# Altium PCB PiMX8MPIODB_r0.1.PcbDoc (part 3 of 3)
Units mm, origin at the board's own origin, x right, y up, seen from the top; angles counter-clockwise.
Board outline 54.2 x 38.2 mm, 6 copper layers (Top Layer, L2 GND, L3 SIG, GND, GND (Mid2), Bottom Layer), stack 1.538 mm thick; 73 components, 73 nets, 333 pads, 771 vias.
Unrouted connection lines stored in the file: 39.
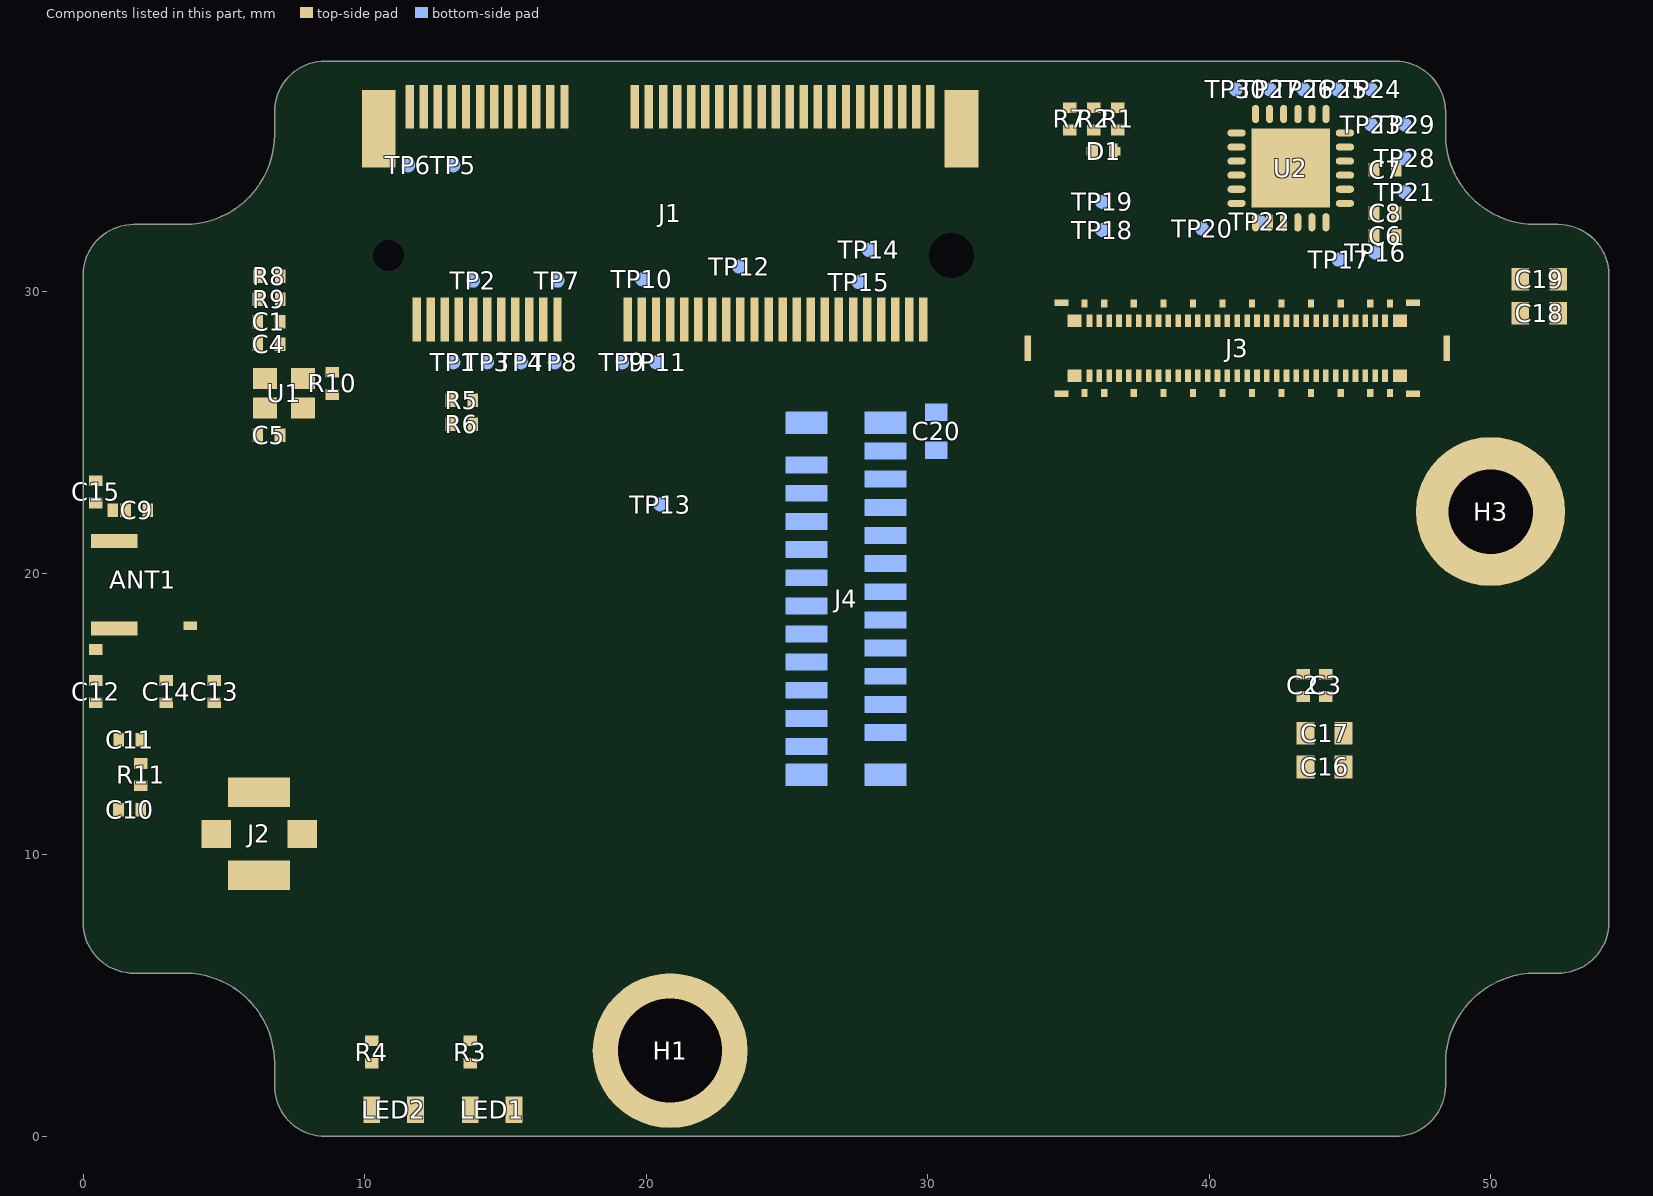
[diagram p7: the components of this part, seen from the top]

## Silkscreen, mask and mechanical layers (free items; w line width, h text height) (continued)
Fab Notes:
  drawing of 452 lines, arcs and shapes, not listed
  text "1" at -46.667,164.76 h2.5
  text "2" at 0.417,164.76 h2.5
  text "3" at 47.917,164.76 h2.5
  text "4" at 95.417,164.76 h2.5
  text "A" at -68.333,143.345 h2.5
  text "A" at 116.667,143.345 h2.5
  text "B" at -68.333,95.515 h2.5
  text "B" at 116.667,95.515 h2.5
  text "Fabrication Notes" at 43.014,90.644 h1.2
  text "- Board supplier: JLCPCB" at 42.964,88.877 h1
  text "Layer stack table" at -24.419,87.977 h2.54
  text "- Standard Board Stackup: JLC06161H-3313" at 42.964,87.477 h1
  text "Layer" at -23.176,84.85 h1.25
  text "Name" at -14.753,84.85 h1.25
  text "Material" at 4.5,84.85 h1.25
  text "Thickness" at 35.832,84.85 h1.25
  text "Constant" at 49.254,84.85 h1.25
  text "Board Layer Stack" at 61.009,84.85 h1.25
  text "Top Overlay" at -14.753,82.35 h1.25
  text "Top Solder" at -14.753,79.85 h1.25
  text "Solder Resist" at 4.5,79.85 h1.25
  text "0.030mm" at 35.832,79.85 h1.25
  text "3.8" at 49.254,79.85 h1.25
  text "1" at -23.176,77.35 h1.25
  text "Top Layer" at -14.753,77.35 h1.25
  text "CF-004" at 4.5,77.35 h1.25
  text "0.035mm" at 35.832,77.35 h1.25
  text "Prepreg 1" at -14.753,74.85 h1.25
  text "3313, RC 457, 4.2 mil" at 4.5,74.85 h1.25
  text "0.099mm" at 35.832,74.85 h1.25
  text "4.1" at 49.254,74.85 h1.25
  text "2" at -23.176,72.35 h1.25
  text "L2 GND" at -14.753,72.35 h1.25
  text "CF-004" at 4.5,72.35 h1.25
  text "0.015mm" at 35.832,72.35 h1.25
  text "Core 1" at -14.753,69.85 h1.25
  text "0.55mm H/Hwithout copper" at 4.5,69.85 h1.25
  text "0.550mm" at 35.832,69.85 h1.25
  text "4.1" at 49.254,69.85 h1.25
  text "3" at -23.176,67.35 h1.25
  text "L3 SIG" at -14.753,67.35 h1.25
  text "CF-004" at 4.5,67.35 h1.25
  text "0.015mm" at 35.832,67.35 h1.25
  text "Prepreg 2" at -14.753,64.85 h1.25
  text "2116 RC54%, 4.9mil" at 4.5,64.85 h1.25
  text "0.109mm" at 35.832,64.85 h1.25
  text "4.1" at 49.254,64.85 h1.25
  text "4" at -23.176,62.35 h1.25
  text "GND" at -14.753,62.35 h1.25
  text "CF-004" at 4.5,62.35 h1.25
  text "0.015mm" at 35.832,62.35 h1.25
  text "Core 2" at -14.753,59.85 h1.25
  text "0.55mm H/Hwithout copper" at 4.5,59.85 h1.25
  text "0.550mm" at 35.832,59.85 h1.25
  text "4.1" at 49.254,59.85 h1.25
  text "5" at -23.176,57.35 h1.25
  text "GND" at -14.753,57.35 h1.25
  text "CF-004" at 4.5,57.35 h1.25
  text "0.015mm" at 35.832,57.35 h1.25
  text "Prepreg 3" at -14.753,54.85 h1.25
  text "3313, RC 457, 4.2 mil" at 4.5,54.85 h1.25
  text "0.099mm" at 35.832,54.85 h1.25
  text "4.1" at 49.254,54.85 h1.25
  text "6" at -23.176,52.35 h1.25
  text "Bottom Layer" at -14.753,52.35 h1.25
  text "CF-004" at 4.5,52.35 h1.25
  text "0.035mm" at 35.832,52.35 h1.25
  text "Bottom Solder" at -14.753,49.85 h1.25
  text "Solder Resist" at 4.5,49.85 h1.25
  text "0.030mm" at 35.832,49.85 h1.25
  text "3.8" at 49.254,49.85 h1.25
  text "C" at -68.333,47.665 h2.5
  text "C" at 116.667,47.665 h2.5
  text "Bottom Overlay" at -14.753,47.35 h1.25
  text "!" at -34.55,20.8 h10
  text "Preliminary design - not fully validated. See schematic for details." at -38.8,9.5 h3
  text "D" at -68.333,-0.165 h2.5
  text "D" at 116.667,-0.165 h2.5
  text "E" at -68.333,-47.995 h2.5
  text "E" at 116.667,-47.995 h2.5
  text "TITLE" at -21.5,-72.66 h1
  text ".Pcb_File_Name_No_Path" at -2.283,-74.951 h2.5
  text "VARIANT" at -21.5,-79.16 h1
  text "APPROVALS" at 31.585,-81.115 h1.25
  text "DATE" at 58.459,-81.115 h1.25
  text ".VariantName" at -12.662,-82.49 h2
  text "LAYER NAME" at -21.5,-85.66 h1
  text "DRAWN" at 26,-85.66 h1
  text "2026-04-25" at 51,-87.49 h2
  text "Thomas Ludemann" at 25.504,-88.24 h1.5
  text "OV Tech GmbH" at 79.421,-89.74 h2.5
  text "CHECKED" at 26,-91.27 h1
  text "Am Weichselgarten 9" at 82.65,-92.407 h1.25
  text "2026-04-25" at 51,-93.1 h2
  text "Thomas Ludemann" at 25.504,-93.85 h1.5
  text "91058 Erlangen" at 85.669,-94.907 h1.25
  text "F" at -68.333,-95.825 h2.5
  text "F" at 116.667,-95.825 h2.5
  text "ENGINEER" at 26,-96.88 h1
  text "Germany" at 89.835,-96.907 h1.25
  text "2026-04-25" at 51,-98.71 h2
  text "https://www.open-visions.com/" at 76.818,-98.907 h1.25
  text "Thomas Ludemann" at 25.504,-99.46 h1.5
  text "REV." at 73.5,-102.49 h1
  text "SIZE" at 82,-102.49 h1
  text "DATE" at 90.5,-102.49 h1
  text "0.1" at 74.5,-105.99 h2
  text "A4" at 83,-105.99 h2
  text ".Print_Date" at 91.5,-105.99 h2
  text "SCALE" at 73.5,-108.99 h1
  text "PAGE" at 98.5,-108.99 h1
  text ".Print_Scale" at 74.337,-112.49 h2
  text "1 OF 1" at 101.335,-112.49 h2
  text "Copy right 2026 OV Tech GmbH / This hardware design is licensed under the CERN Open Hardware Licence Version 2 - Strongly Reciprocal (CERN-OHL-S-2.0). You may redistribute and modify this design under the terms of the license. This design is provided \"as is\", without any warranties. See LICENSE file in the repository for full license details." at -22,-112.851 h1
  text "1" at -46.667,-117.24 h2.5
  text "2" at 0.417,-117.24 h2.5
  text "3" at 47.917,-117.24 h2.5
  text "4" at 95.417,-117.24 h2.5

## Dimensions
8.6,1.8 to 5.2,-1.55 on Board outline
3.6,2.6 to 4.844,3.844 on Board outline
46.6,38.2 to 46.6,0 on Board outline
0,30.6 to 54.2,30.6 on Board outline

## Text inside footprints (layer, text, board x,y; h text height)
J1: Top 3D Body "M.2 2230 / E-Key" at 17.082,7.941 h2